# Allegro board pc065a_toplevel_45_8layers.brd (continued)
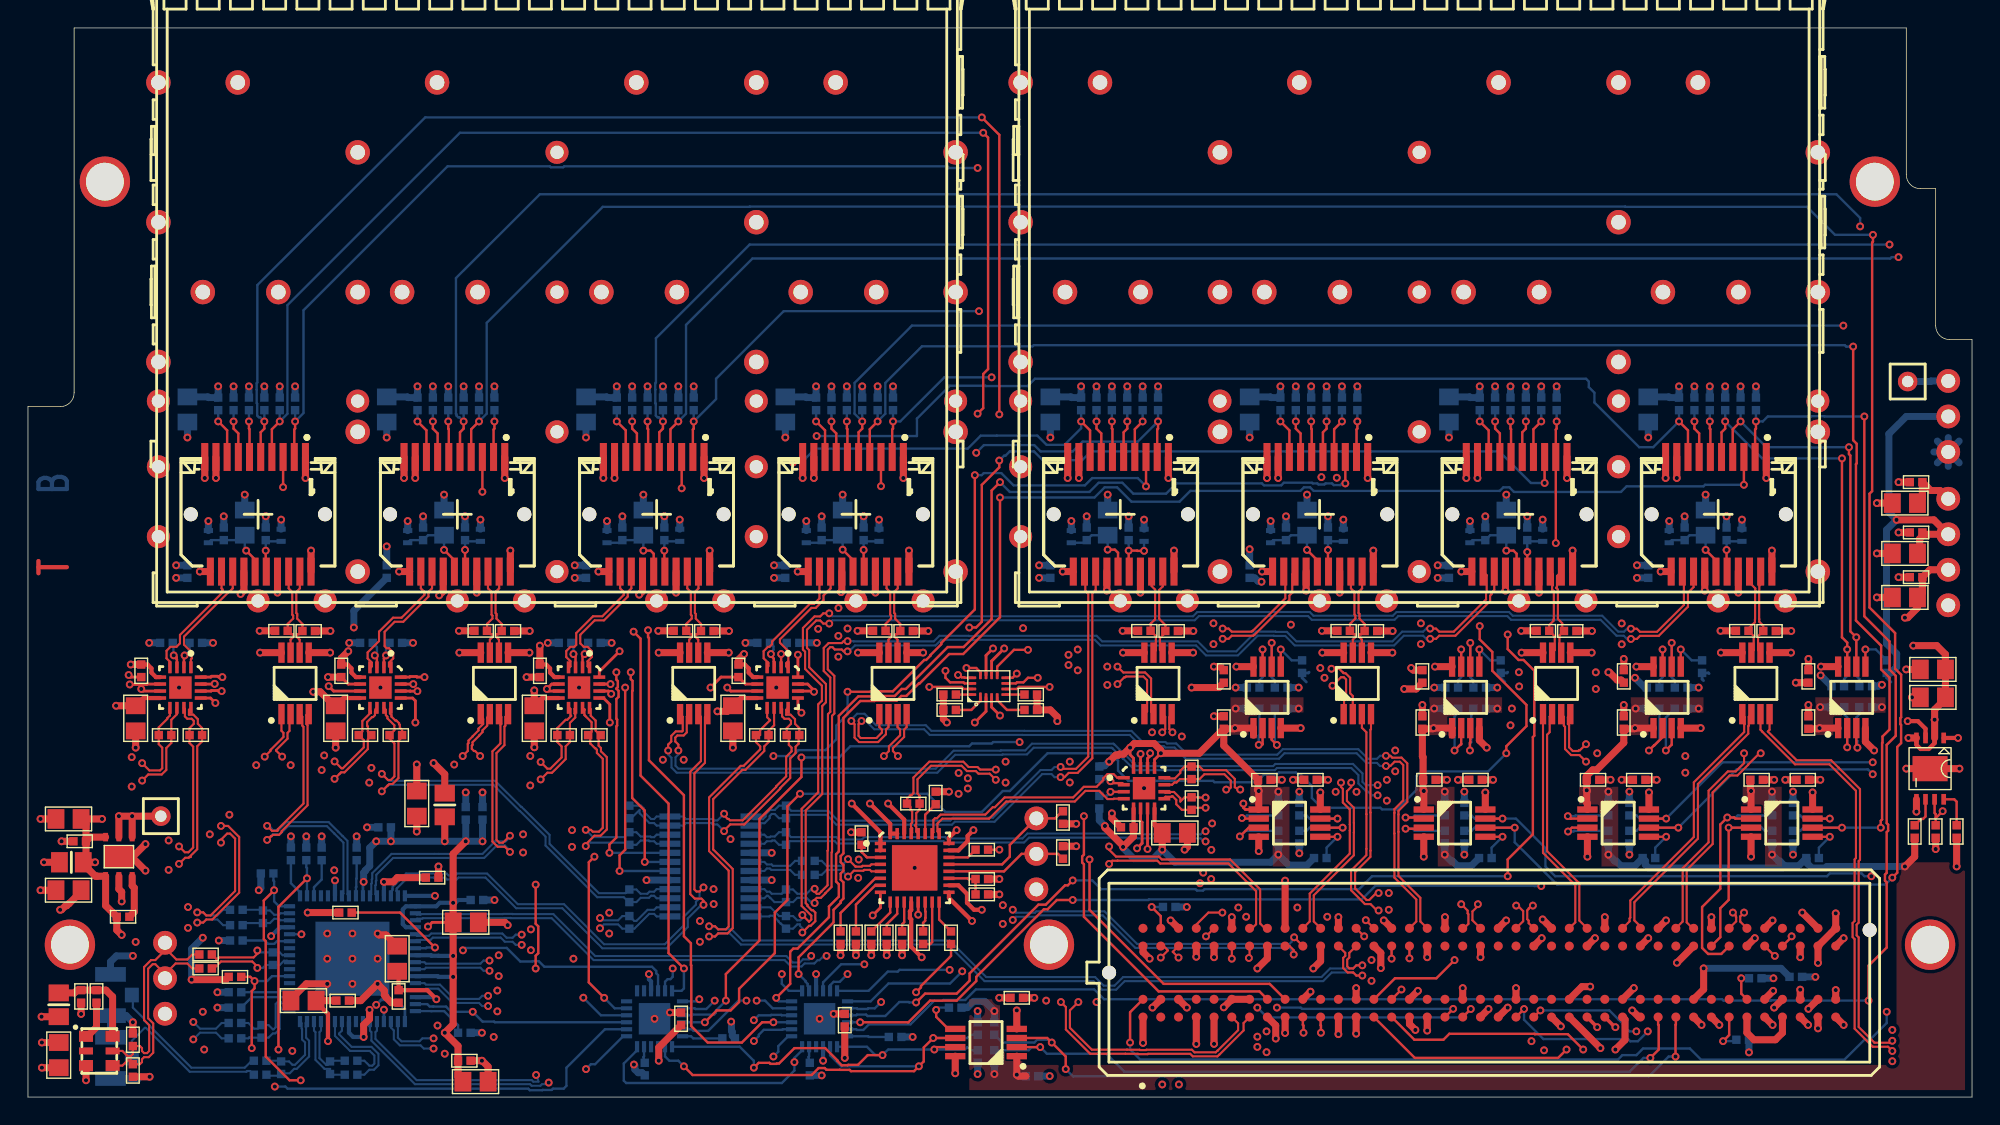
[diagram p0: board, top side]
## Routing (per net, layer and track width the routed paths; a pad name or vN(x,y) marks a point on that pad's centre or on a via; arc(x,y) is an arc through that point) (continued)
UNNAMED_13_74AVC4T245BRIS_I75_2: length 2.3
  TOP w0.17: R177.2 67.45,27.7 68.1,28.35 IC21.1
UNNAMED_13_74AVC4T245BRIS_I76_1: length 1.1
  TOP w0.17: IC21.16 R179.2
UNNAMED_13_74AVC4T245BRIS_I76_2: length 1.3
  TOP w0.17: IC21.5 R178.1
UNNAMED_13_RSMD0402_I6_B: length 3
  BOTTOM w0.17: R31.2 60.12,4.3 60.07,4.35 IC10.18
UNNAMED_13_RSMD0402_I8_B: length 1.2
  BOTTOM w0.17: IC10.23 55.85,2.91 55.8,2.86 R32.2
UNNAMED_13_RSMD0402_I45_B: length 2.9
  BOTTOM w0.17: R180.2 47.56,4.2 47.41,4.35 IC23.18
UNNAMED_13_RSMD0402_I46_B: length 1.2
  BOTTOM w0.17: IC23.23 44.05,2.91 44,2.86 R181.2
VADJ: length 11.6
  TOP w0.5: v1(127.98,9.6) J10.G39 129.25,12.08 v1(129.25,13.14)
  BOTTOM w0.5: 136.52,45.38 J39.3 ; J39.3 137.3,47.19 ; J39.3 136.52,46.94 ; J39.3 138.08,46.94 ; J39.3 137.3,45.13 ; J39.3 138.08,45.38 ; J39.3 136.27,46.16
XA: length 6.3
  TOP w0.15: v1(16.4,9.24) 16.4,9.33 16.03,9.7 13.8,9.7 13.3,9.2 C29.1
  BOTTOM w0.15: v1(16.4,9.24) 16.79,9.24 17,9.45 R17.1 18,9.45 18.31,9.76 18.52,9.76 18.62,9.65 IC3.8
XB: length 6.2
  TOP w0.15: C30.1 13.45,9.9 13.59,9.9 13.68,9.99 16.14,9.99 16.4,10.25 v1(16.4,10.49)
  BOTTOM w0.15: IC3.9 18.2,10.15 18,10.35 R17.2 16.54,10.35 v1(16.4,10.49)

## Copper pours and planes (outline as drawn; the poured copper is in the pictures)
GND on L2_GND, L4_GND: 0.5,0.5 138.5,0.5 138.5,53.7 137.4,53.7 136.34,54.14 135.9,55.2 135.9,64.5 135.3,64.5 134.24,64.94 133.8,66 133.8,76 3.8,76 3.8,50.4 3.36,49.34 2.3,48.9 0.5,48.9
P1V3 on L5_PWR: 0.5,0.5 138.5,0.5 138.5,53.7 137.4,53.7 136.34,54.14 135.9,55.2 135.9,64.5 135.3,64.5 134.24,64.94 133.8,66 133.8,76 3.8,76 3.8,50.4 3.36,49.34 2.3,48.9 0.5,48.9
P1V8A on L5_PWR: 29.8,15.1 27.6,15.1 27.6,5 20.2,5 20.2,3 6,3 6,18.9 11.2,18.9 11.2,21.5 3.2,21.5 3.2,0.5 29.8,0.5
P2V5 on TOP: 125.4,16.5 125.4,22.2 122.6,22.2 122.6,20.3 124.2,20.3 124.2,16.5
P2V5 on TOP: 119.8,28.6 114.6,28.6 114.6,25.9 116.5,25.9 116.5,27.5 119.8,27.5
P2V5 on TOP: 102,16.5 102,22.2 99.2,22.2 99.2,20.3 100.8,20.3 100.8,16.5
P2V5 on TOP: 67.3,7 67.3,0.5 138.5,0.5 138.5,16.8 133.6,16.8 133.6,2.3 71.1,2.3 71.1,3.2 69.5,3.2 69.5,7
P2V5 on TOP: 90.2,16.5 90.2,22.2 87.4,22.2 87.4,20.3 89,20.3 89,16.5
P2V5 on TOP: 113.7,16.5 113.7,22.2 110.9,22.2 110.9,20.3 112.5,20.3 112.5,16.5
P2V5 on TOP: 133,28.6 127.8,28.6 127.8,25.9 129.7,25.9 129.7,27.5 133,27.5
P2V5 on TOP: 105.4,28.6 100.2,28.6 100.2,25.9 102.1,25.9 102.1,27.5 105.4,27.5
P2V5 on TOP: 91.2,28.6 85.98,28.6 85.98,25.92 87.88,25.92 87.88,27.52 91.2,27.52
P2V5 on BOTTOM: 47.8,32.9 56.7,32.9 56.7,31.2 86,31.2 86,29.7 90.6,29.7 90.6,30.8 91.7,30.8 91.7,29.7 104.8,29.7 104.8,30.8 105.9,30.8 105.9,29.7 119.2,29.7 119.2,30.8 120.3,30.8 120.3,29.7 132.4,29.7 132.4,30.8 133.5,30.8 133.5,27.5 70.2,27.5 70.2,26.9 68.9,26.9 68.9,27.5 56.7,27.5 56.7,25.4 5.5,25.4 5.5,32.9 14.4,32.9 14.4,26.4 19.8,26.4 19.8,32.9 28.7,32.9 28.7,26.4 34,26.4 34,32.9 42.9,32.9 42.9,26.4 47.8,26.4
P3V3 on L7_PWR: 0.5,0.5 138.5,0.5 138.5,53.7 137.4,53.7 136.34,54.14 135.9,55.2 135.9,64.5 135.3,64.5 134.24,64.94 133.8,66 133.8,76 3.8,76 3.8,50.4 3.36,49.34 2.3,48.9 0.5,48.9
P3V3A on L7_PWR: 4.4,20.3 4.4,10.9 20.5,10.9 20.5,19.3 15.6,19.3 15.6,16.3 6,16.3 6,20.3
P3V3B on L7_PWR: 22.4,15.9 22.4,13.9 23.7,13.9 23.7,15.9 24.3,15.9 24.3,13.9 25.2,13.9 25.2,15.9 25.8,15.9 25.8,15.1 25.7,15.1 25.7,13.9 26.2,13.9 26.2,5.9 23.8,5.9 23.8,7.4 25.5,7.4 25.5,12.7 21.6,12.7 21.6,15.9
VADJ on BOTTOM: 127.4,9.3 127.5,9.2 138.5,9.2 138.5,47.5 134.1,47.5 134.1,14.1 127.4,14.1

## Text on the board
BOTTOM: B
User.Comments: PIN A1 REF. | SECOND CONNECTOR | (OPTIONAL) | PRIMARY CONNECTOR
TOP: T
L2_GND: 2
L3_SIG: 3
L6_SIG: 4
L7_PWR: 5
DIMENSION: INPUT 1
